# KiCad board jetson-orin-baseboard.kicad_pcb (continued)
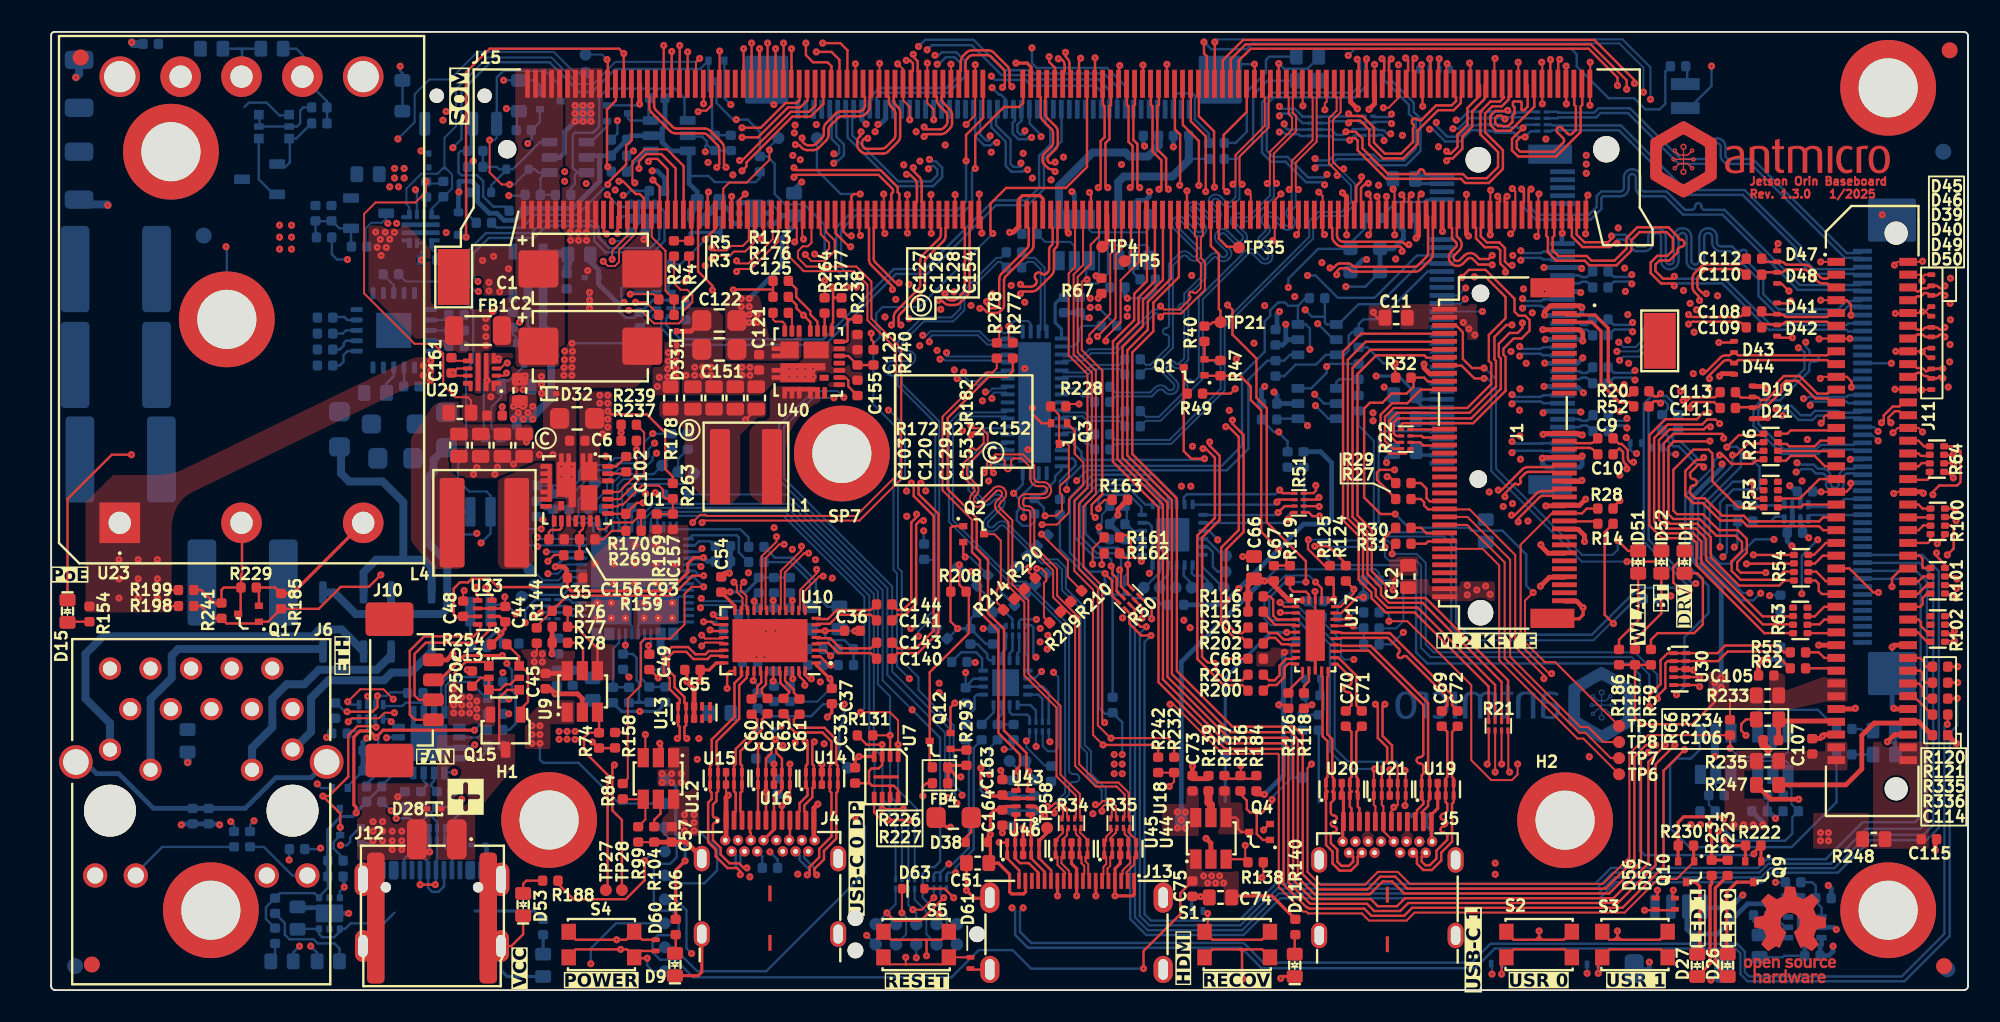
[diagram p0: board, top side]
## Footprints (pads in the part's own frame, mm; a bottom-side part is the same pattern mirrored in y, then rotated) (continued)
  rect 0.4x0.8 smd: 5(-0.975,-1.9) 6(-0.325,-1.9) 7(0.325,-1.9) 8(0.975,-1.9) 13(0.975,1.9) 14(0.325,1.9) 15(-0.325,1.9) 16(-0.975,1.9)
  rect 2.3x2.3 smd: 17(0,0)
R_0402_1005Metric
  rrect 0.59x0.64 smd: 1(-0.48,0) 2(0.48,0)
R_0603_1608Metric
  rrect 0.8x1 smd: 1(-0.7,0) 2(0.7,0)
R_Array_4x0201_Panasonic_EXB18V
  rrect 0.2x0.4 smd: 1(-0.6,-0.298) 2(-0.202,-0.298) 3(0.2,-0.298) 4(0.598,-0.298) 5(0.598,0.3) 6(0.2,0.3) 7(-0.202,0.3) 8(-0.6,0.3)
R_Array_4x0402
  rrect 0.4x0.5 smd: 1(-0.802,-0.45) 2(-0.272,-0.45) 3(0.27,-0.45) 4(0.8,-0.45) 5(0.8,0.452) 6(0.27,0.452) 7(-0.272,0.452) 8(-0.802,0.452)
RJ45_X-2337992-8_Horizontal
  round 3.25 hole 3.25 unplated: (0,-8.9) (11.429,-8.9)
  round 1.397 hole 0.889: 1(0,0) 2(1.269,-2.539) 3(2.539,0) 4(3.809,-2.539) 5(5.078,0) 6(6.349,-2.539) 7(7.618,0) 8(8.89,-2.539) 9(10.159,0) 10(11.429,-2.539) 11(0,-5.078) 12(2.539,-6.339) 13(8.89,-6.339) 14(11.429,-5.07)
  round 1.524 hole 1.016: 15(-0.927,-12.958) 16(1.614,-12.958) 17(9.814,-12.958) 18(12.355,-12.958)
  round 2.1 hole 1.6: 19(-2.136,-5.85)
  round 2.108 hole 1.6: 20(13.563,-5.85)
SC-74-6_1.5x2.9mm_P0.95mm
  rrect 0.8x0.55 smd: 1(-1.2,0.95) 2(-1.2,0) 3(-1.2,-0.95) 4(1.2,-0.95) 5(1.2,0) 6(1.2,0.95)
SOD-523
  rrect 0.5x0.6 smd: 1(-0.701,0) 2(0.699,0)
SOD-923
  rrect 0.4x0.325 smd: 1(-0.438,0) 2(0.436,0)
SOIC-4_4.55x2.6mm_P1.27mm
  rrect 1.85x0.65 smd: 1(-3.125,0.635) 2(-3.125,-0.634) 3(3.124,-0.634) 4(3.124,0.635)
SOT-23-3
  rrect 1x0.6 smd: 1(-1.1,0.951) 2(-1.1,-0.949) 3(1.1,0.001)
SOT-23-5
  rect 1x0.55 smd: 1(-1.351,0.951) 2(-1.351,0) 3(-1.351,-0.949) 4(1.35,-0.949) 5(1.35,0.951)
SOT-23-6
  rrect 0.55x1 smd: 1(-0.954,-1.1) 2(-0.003,-1.1) 3(0.947,-1.1) 4(0.947,1.214) 5(-0.003,1.214) 6(-0.954,1.214)
SOT-363
  custom 0.6x0.6 smd: 1(-0.948,0.752) 3(-0.948,-0.745) 4(0.951,-0.745) 6(0.951,0.752)
  rect 0.6x0.4 smd: 2(-0.948,0.002) 5(0.951,0.002)
SOT-523
  rect 0.4x0.51 smd: 1(-0.5,-0.65) 2(0.498,-0.65) 3(0,0.652)
Spacer_Drill3.7mm_H2.5mm_9774025151R
  custom 2.563x2.563 smd: (-1.7,1.7) (-1.7,-1.7) (1.7,1.7) (1.7,-1.7)
  round 6 hole 3.7: 1(0,0)
Spacer_Drill3.7mm_H6.5mm_9774065151R
  custom 2.563x2.563 smd: (-1.7,1.7) (-1.7,-1.7) (1.7,1.7) (1.7,-1.7)
  round 6 hole 3.7: 1(0,0)
SW_KMR211NGLFS_SMD
  rect 0.9x1 smd: 1(-2.048,0.8) 2(2.05,0.8) 3(-2.048,-0.802) 4(2.05,-0.802)
Tag-Connect_TC2050-IDC-NL_2x5_P1.27mm
  round 0.991 hole 0.991 unplated: (-3.81,0) (3.809,-1.015) (3.809,1.016)
  round 0.787 smd: 1(-2.54,-0.634) 2(-1.27,-0.634) 3(0,-0.634) 4(1.269,-0.634) 5(2.539,-0.634) 6(2.539,0.635) 7(1.269,0.635) 8(0,0.635) 9(-1.27,0.635) 10(-2.54,0.635)
TE_2309413
  round 1.15 hole 1.15 unplated: (-34.406,7.926)
  round 1.65 hole 1.65 unplated: (34.395,7.926)
  rect 0.3x1.75 smd: 1(33.369,12.026) 2(33.119,3.826) 3(32.869,12.026) 4(32.619,3.826) 5(32.369,12.026) 6(32.119,3.826) 7(31.87,12.026) 8(31.62,3.826) 9(31.37,12.026) 10(31.12,3.826) 11(30.87,12.026) 12(30.62,3.826) 13(30.37,12.026) 14(30.12,3.826) 15(29.87,12.026) 16(29.62,3.826) 17(29.37,12.026) 18(29.12,3.826) 19(28.87,12.026) 20(28.62,3.826) 21(28.37,12.026) 22(28.12,3.826) 23(27.87,12.026) 24(27.62,3.826) 25(27.37,12.026) 26(27.12,3.826) 27(26.87,12.026) 28(26.62,3.826) 29(26.37,12.026) 30(26.12,3.826) 31(25.87,12.026) 32(25.62,3.826) 33(25.37,12.026) 34(25.12,3.826) 35(24.87,12.026) 36(24.62,3.826) 37(24.37,12.026) 38(24.12,3.826) 39(23.87,12.026) 40(23.62,3.826) 41(23.37,12.026) 42(23.12,3.826) 43(22.87,12.026) 44(22.62,3.826) 45(22.37,12.026) 46(22.12,3.826) 47(21.87,12.026) 48(21.62,3.826) 49(21.37,12.026) 50(21.12,3.826) 51(20.87,12.026) 52(20.62,3.826) 53(20.37,12.026) 54(20.12,3.826) 55(19.87,12.026) 56(19.62,3.826) 57(19.37,12.026) 58(19.12,3.826) 59(18.87,12.026) 60(18.62,3.826) 61(18.37,12.026) 62(18.12,3.826) 63(17.87,12.026) 64(17.62,3.826) 65(17.37,12.026) 66(17.12,3.826) 67(16.87,12.026) 68(16.62,3.826) 69(16.37,12.026) 70(16.12,3.826) 71(15.87,12.026) 72(15.62,3.826) 73(15.37,12.026) 74(15.12,3.826) 75(14.87,12.026) 76(14.62,3.826) 77(14.37,12.026) 78(14.12,3.826) 79(13.87,12.026) 80(13.62,3.826) 81(13.37,12.026) 82(13.12,3.826) 83(12.87,12.026) 84(12.62,3.826) 85(12.37,12.026) 86(12.12,3.826) 87(11.87,12.026) 88(11.62,3.826) 89(11.37,12.026) 90(11.12,3.826) 91(10.87,12.026) 92(10.62,3.826) 93(10.37,12.026) 94(10.12,3.826) 95(9.87,12.026) 96(9.62,3.826) 97(9.37,12.026) 98(9.12,3.826) 99(8.87,12.026) 100(8.62,3.826) 101(8.37,12.026) 102(8.12,3.826) 103(7.869,12.026) 104(7.619,3.826) 105(7.369,12.026) 106(7.119,3.826) 107(6.869,12.026) 108(6.619,3.826) 109(6.369,12.026) 110(6.119,3.826) 111(5.869,12.026) 112(5.619,3.826) 113(5.369,12.026) 114(5.12,3.826) 115(4.87,12.026) 116(4.62,3.826) 117(4.37,12.026) 118(4.12,3.826) 119(3.87,12.026) 120(3.62,3.826) 121(3.37,12.026) 122(3.12,3.826) 123(2.87,12.026) 124(2.62,3.826) 125(2.37,12.026) 126(2.12,3.826) 127(1.87,12.026) 128(1.62,3.826) 129(1.37,12.026) 130(1.12,3.826) 131(0.869,12.026) 132(0.619,3.826) 133(0.369,12.026) 134(0.119,3.826) 135(-0.131,12.026) 136(-0.38,3.826) 137(-0.63,12.026) 138(-0.88,3.826) 139(-1.131,12.026) 140(-1.381,3.826) 141(-1.631,12.026) 142(-1.881,3.826) 143(-2.13,12.026) 144(-2.38,3.826) 145(-4.63,12.026) 146(-4.88,3.826) 147(-5.13,12.026) 148(-5.38,3.826) 149(-5.63,12.026) 150(-5.88,3.826) 151(-6.13,12.026) 152(-6.38,3.826) 153(-6.63,12.026) 154(-6.88,3.826) 155(-7.13,12.026) 156(-7.38,3.826) 157(-7.63,12.026) 158(-7.88,3.826) 159(-8.131,12.026) 160(-8.381,3.826) 161(-8.631,12.026) 162(-8.881,3.826) 163(-9.131,12.026) 164(-9.381,3.826) 165(-9.631,12.026) 166(-9.881,3.826) 167(-10.131,12.026) 168(-10.381,3.826) 169(-10.631,12.026) 170(-10.881,3.826) 171(-11.131,12.026) 172(-11.381,3.826) 173(-11.631,12.026) 174(-11.881,3.826) 175(-12.131,12.026) 176(-12.381,3.826) 177(-12.631,12.026) 178(-12.881,3.826) 179(-13.131,12.026) 180(-13.381,3.826) 181(-13.631,12.026) 182(-13.881,3.826) 183(-14.131,12.026) 184(-14.381,3.826) 185(-14.631,12.026) 186(-14.881,3.826) 187(-15.131,12.026) 188(-15.381,3.826) 189(-15.631,12.026) 190(-15.881,3.826) 191(-16.13,12.026) 192(-16.38,3.826) 193(-16.63,12.026) 194(-16.88,3.826) 195(-17.13,12.026) 196(-17.38,3.826) 197(-17.63,12.026) 198(-17.88,3.826) 199(-18.13,12.026) 200(-18.38,3.826) 201(-18.63,12.026) 202(-18.88,3.826) 203(-19.13,12.026) 204(-19.38,3.826) 205(-19.63,12.026) 206(-19.88,3.826) 207(-20.13,12.026) 208(-20.38,3.826) 209(-20.63,12.026) 210(-20.88,3.826) 211(-21.13,12.026) 212(-21.38,3.826) 213(-21.63,12.026) 214(-21.88,3.826) 215(-22.13,12.026) 216(-22.38,3.826) 217(-22.63,12.026) 218(-22.88,3.826) 219(-23.13,12.026) 220(-23.38,3.826) 221(-23.63,12.026) 222(-23.88,3.826) 223(-24.13,12.026) 224(-24.38,3.826) 225(-24.63,12.026) 226(-24.88,3.826) 227(-25.13,12.026) 228(-25.38,3.826) 229(-25.63,12.026) 230(-25.88,3.826) 231(-26.13,12.026) 232(-26.38,3.826) 233(-26.63,12.026) 234(-26.88,3.826) 235(-27.13,12.026) 236(-27.38,3.826) 237(-27.63,12.026) 238(-27.88,3.826) 239(-28.13,12.026) 240(-28.38,3.826) 241(-28.63,12.026) 242(-28.88,3.826) 243(-29.13,12.026) 244(-29.38,3.826) 245(-29.63,12.026) 246(-29.88,3.826) 247(-30.13,12.026) 248(-30.38,3.826) 249(-30.63,12.026) 250(-30.88,3.826) 251(-31.13,12.026) 252(-31.38,3.826) 253(-31.63,12.026) 254(-31.88,3.826) 255(-32.131,12.026) 256(-32.381,3.826) 257(-32.631,12.026) 258(-32.881,3.826) 259(-33.131,12.026) 260(-33.381,3.826)
  rect 2x3.5 smd: 261(-37.756,-0.073) 262(37.744,-4.073)
TP_SMD_0.75mm
  round 0.75 smd: 1(0,0)
TSOT23-6
  rect 1.2x0.7 smd: 1(-1.301,0.947) 2(-1.301,-0.004) 3(-1.301,-0.954) 4(1.299,-0.954) 5(1.299,-0.004) 6(1.299,0.947)
USB-C_Receptacle_GCT_USB4105-GF-A
  round 0.65 hole 0.65 unplated: (-2.891,2.426) (2.89,2.426)
  rrect 0.6x1.15 smd: A1(-3.202,3.5) A4(-2.4,3.5) A9(2.398,3.5) A12(3.2,3.5) B1(3.2,3.5) B4(2.398,3.5) B9(-2.4,3.5) B12(-3.202,3.5)
  rrect 0.3x1.15 smd: A5(-1.25,3.5) A6(-0.25,3.5) A7(0.248,3.5) A8(1.249,3.5) B5(1.749,3.5) B6(0.748,3.5) B7(-0.75,3.5) B8(-1.75,3.5)
  oval 1x2 hole 0.6x1.4: SH(-4.321,-1.255) SH(4.32,-1.255)
  oval 1.05x2.1 hole 0.6x1.7: SH(-4.321,2.926) SH(4.32,2.926)
USB-C_Receptacle_WE_632723300011
  rrect 0.2x1 smd: (0,1.055) (0,-2.045)
  rrect 0.3x1.2 smd: A1(-2.75,5.635) A2(-2.25,5.635) A3(-1.75,5.635) A4(-1.25,5.635) A5(-0.75,5.635) A6(-0.25,5.635) A7(0.25,5.635) A8(0.75,5.635) A9(1.25,5.635) A10(1.75,5.635) A11(2.25,5.635) A12(2.75,5.635)
  round 0.65 hole 0.3: B1(2.8,4.385) B2(2.4,3.685) B3(1.6,3.685) B4(1.2,4.385) B5(0.8,3.685) B6(0.4,4.385) B7(-0.4,4.385) B8(-0.8,3.685) B9(-1.2,4.385) B10(-1.6,3.685) B11(-2.4,3.685) B12(-2.8,4.385) SH(-2,4.385) SH(2,4.385)
  oval 1x1.6 hole 0.6x1.2: SH(-4.27,3.235) SH(-4.27,-1.495) SH(4.27,3.235) SH(4.27,-1.495)
USON-8_2x3mm_P0.5mm
  rrect 0.7x0.3 smd: 1(-1.273,0.75) 2(-1.273,0.25) 3(-1.273,-0.248) 4(-1.273,-0.748) 5(1.276,-0.748) 6(1.276,-0.248) 7(1.276,0.25) 8(1.276,0.75)
  rrect 0.2x1.6 smd: EP(0,0)
USON-10_2.5x1mm_P0.5mm
  rrect 0.55x0.25 smd: 1(-0.387,1) 2(-0.387,0.5) 4(-0.387,-0.498) 5(-0.387,-0.998) 6(0.385,-0.998) 7(0.385,-0.498) 9(0.385,0.5) 10(0.385,1)
  rrect 0.55x0.4 smd: 3(-0.387,0) 8(0.385,0)
VQFN-16-1EP_3x3mm_P0.5mm_EP1.68x1.68mm
  rrect 0.6x0.25 smd: 1(-1.4,0.75) 2(-1.4,0.25) 3(-1.4,-0.25) 4(-1.4,-0.75) 9(1.4,-0.75) 10(1.4,-0.25) 11(1.4,0.25) 12(1.4,0.75)
  rrect 0.25x0.6 smd: 5(-0.75,-1.4) 6(-0.25,-1.4) 7(0.25,-1.4) 8(0.75,-1.4) 13(0.75,1.4) 14(0.25,1.4) 15(-0.25,1.4) 16(-0.75,1.4)
  rrect 1.68x1.68 smd: 17(0,0)
VQFN-20_5x5x1mm_P0.65mm
  rrect 0.75x0.31 smd: 1(-2.327,1.301) 2(-2.327,0.652) 3(-2.327,0) 4(-2.327,-0.65) 5(-2.327,-1.3) 11(2.325,-1.3) 12(2.325,-0.65) 13(2.325,0) 14(2.325,0.652) 15(2.325,1.301)
  rrect 0.31x0.75 smd: 6(-1.301,-2.325) 7(-0.652,-2.325) 8(0,-2.325) 9(0.65,-2.325) 10(1.3,-2.325) 16(1.3,2.327) 17(0.65,2.327) 18(0,2.327) 19(-0.652,2.327) 20(-1.301,2.327)
  rect 2.2x2.2 smd: 21(0,0)
VQFN-24-1EP_3.8x3.8x1.0mm_P0.5mm
  rrect 0.6x0.25 smd: 1(-1.901,1.25) 2(-1.901,0.75) 3(-1.901,0.25) 4(-1.901,-0.248) 5(-1.901,-0.748) 6(-1.901,-1.249) 13(1.898,-1.249) 14(1.898,-0.748) 15(1.898,-0.248) 16(1.898,0.25) 17(1.898,0.75) 18(1.898,1.252)
  rrect 0.25x0.6 smd: 7(-1.252,-1.898) 8(-0.751,-1.898) 9(-0.25,-1.898) 10(0.248,-1.898) 11(0.748,-1.898) 12(1.249,-1.898) 19(1.249,1.901) 20(0.748,1.901) 21(0.248,1.901) 22(-0.25,1.901) 23(-0.75,1.901) 24(-1.252,1.901)
  rrect 2.1x2.1 smd: 25(0,0.001)
VQFN-HR-10_2x2mm
  rrect 0.6x0.275 smd: (-0.9,0.688) (-0.9,-0.688) (0.9,0.688) (0.9,-0.688)
  rrect 0.225x0.65 smd: (-0.713,0.875) (-0.713,-0.875) (0.713,0.875) (0.713,-0.875)
  rrect 0.28x1.06 smd: (-0.25,0.63) (-0.25,-0.63) (0.25,0.63) (0.25,-0.63)
  rrect 0.6x0.3 smd: 1(-0.9,0.7) 4(-0.9,-0.7) 7(0.9,-0.7) 10(0.9,0.7)
  rrect 0.25x0.65 smd: 1(-0.725,0.875) 4(-0.725,-0.875) 7(0.725,-0.875) 10(0.725,0.875)
  rrect 0.6x0.25 smd: 2(-0.9,0.225) 3(-0.9,-0.225) 8(0.9,-0.225) 9(0.9,0.225)
  rrect 0.3x2.4 smd: 5(-0.25,0) 6(0.25,0)
WQFN-30-1EP_4.6x2.6mm_P0.4mm
  rect 0.45x0.2 smd: 1(-1.232,1.809) 10(-1.232,-1.79) 16(1.222,-1.79) 25(1.222,1.809)
  rect 0.5x0.2 smd: 2(-1.203,1.41) 3(-1.203,1.01) 4(-1.203,0.609) 5(-1.203,0.21) 6(-1.203,-0.191) 7(-1.203,-0.59) 8(-1.203,-0.99) 9(-1.203,-1.391) 17(1.196,-1.391) 18(1.196,-0.99) 19(1.196,-0.59) 20(1.196,-0.191) 21(1.196,0.21) 22(1.196,0.609) 23(1.196,1.01) 24(1.196,1.41)
  rect 0.2x0.45 smd: 11(-0.804,-2.191) 15(0.797,-2.191) 26(0.797,2.21) 30(-0.804,2.21)
  rect 0.2x0.5 smd: 12(-0.403,-2.191) 13(-0.003,-2.191) 14(0.396,-2.191) 27(0.396,2.21) 28(-0.003,2.21) 29(-0.403,2.21)
  rect 1.2x3.2 smd: 31(-0.003,0.01)
WQFN-40_1EP_6x3mm_Pitch0.4mm_EP4.7x2.7mm
  rrect 0.6x0.2 smd: 1(-2.9,1.401) 2(-2.9,1) 3(-2.9,0.6) 4(-2.9,0.202) 5(-2.9,-0.2) 6(-2.9,-0.598) 7(-2.9,-0.998) 8(-2.9,-1.398) 21(2.898,-1.398) 22(2.898,-0.998) 23(2.898,-0.598) 24(2.898,-0.2) 25(2.898,0.202) 26(2.898,0.6) 27(2.898,1) 28(2.898,1.401)
  rrect 0.2x0.6 smd: 9(-2.202,-1.898) 10(-1.801,-1.898) 11(-1.401,-1.898) 12(-1,-1.898) 13(-0.6,-1.898) 14(-0.202,-1.898) 15(0.2,-1.898) 16(0.598,-1.898) 17(0.998,-1.898) 18(1.398,-1.898) 19(1.8,-1.898) 20(2.2,-1.898) 29(2.2,1.901) 30(1.8,1.901) 31(1.398,1.901) 32(0.998,1.901) 33(0.598,1.901) 34(0.2,1.901) 35(-0.202,1.901) 36(-0.6,1.901) 37(-1,1.901) 38(-1.401,1.901) 39(-1.801,1.901) 40(-2.202,1.901)
  rrect 1x0.8 smd: 41(-1.5,0.652) 41(-1.5,-0.748) 41(0.05,0.652) 41(0.05,-0.748) 41(1.499,0.652) 41(1.499,-0.748)
  rrect 4.7x2.7 smd: 41(0,0)
WQFN-42-1EP_3.5x9mm_P0.5mm
  rrect 0.83x0.87 smd: (-0.51,-3.24) (-0.51,-2.16) (-0.51,-1.08) (-0.51,0) (-0.51,1.081) (-0.51,2.161) (-0.51,3.242) (0.508,-3.24) (0.508,-2.16) (0.508,-1.08) (0.508,0) (0.508,1.081) (0.508,2.161) (0.508,3.242)
  rrect 0.875x0.25 smd: 1(-1.688,4) 2(-1.688,3.5) 3(-1.688,3) 4(-1.688,2.5) 5(-1.688,2) 6(-1.688,1.5) 7(-1.688,1) 8(-1.688,0.5) 9(-1.688,0) 10(-1.688,-0.5) 11(-1.688,-1) 12(-1.688,-1.5) 13(-1.688,-2) 14(-1.688,-2.5) 15(-1.688,-3) 16(-1.688,-3.5) 17(-1.688,-4) 22(1.687,-4) 23(1.687,-3.5) 24(1.687,-3) 25(1.687,-2.5) 26(1.687,-2) 27(1.687,-1.5) 28(1.687,-1) 29(1.687,-0.5) 30(1.687,0) 31(1.687,0.5) 32(1.687,1) 33(1.687,1.5) 34(1.687,2) 35(1.687,2.5) 36(1.687,3) 37(1.687,3.5) 38(1.687,4)
  rrect 0.25x0.875 smd: 18(-0.75,-4.437) 19(-0.25,-4.437) 20(0.25,-4.437) 21(0.75,-4.437) 39(0.75,4.438) 40(0.25,4.438) 41(-0.25,4.438) 42(-0.75,4.438)
  rect 2.05x7.55 smd: 43(0,0)
WSON-6-1EP_2x2mm_P0.65mm
  rrect 0.45x0.4 smd: 1(-0.975,0.652) 2(-0.975,0) 3(-0.975,-0.65) 4(0.973,-0.65) 5(0.973,0) 6(0.973,0.652)
  rrect 1.12x1.72 smd: 7(0,0)
XDFN-2_1x0.60mm
  rrect 0.3x0.5 smd: 1(-0.351,0) 2(0.349,0)
XSON-8_1x1.95mm_P0.5mm
  rrect 0.6x0.3 smd: 1(-0.45,0.75) 4(-0.45,-0.75) 5(0.45,-0.75) 8(0.45,0.75)
  rrect 0.6x0.25 smd: 2(-0.45,0.25) 3(-0.45,-0.25) 6(0.45,-0.25) 7(0.45,0.25)

## Nets
3V3_STDB: C118.2 C119.2 D30.1 D34.2 R183.2 R247.2 R256.2 R259.2 R273.2 S5.1 S5.2 TP52.1 U37.5 U38.3 U38.5
+1V8: C40.2 C44.2 C89.2 C96.2 C97.2 D31.1 Q1.1 R47.2 R80.2 R163.1 R167.2 R171.2 R179.2 R219.2 R232.2 R234.1 R242.2 R276.2 TP55.1 U4.3 U4.6 U26.21 U31.3 U31.6 U32.3 U32.6 U33.3 U33.6
+3V3: C7.1 C11.1 C12.1 C25.1 C26.1 C36.1 C37.1 C41.2 C43.1 C47.2 C49.2 C54.1 C55.1 C56.2 C68.1 C91.1 C100.2 C101.2 C104.2 C130.1 C163.2 D33.1 J1.2 J1.4 J1.72 J1.74 J6.15 J6.17 Q2.1 R27.1 R28.1 R32.2 R37.1 R38.1 R39.2 R49.2 R66.1 R67.1 R81.1 R83.2 R85.2 R87.2 R89.2 R91.2 R93.2 R95.2 R97.2 R126.2 R130.1 R138.2 R143.2 R160.2 R166.2 R174.2 R178.2 R184.2 R186.2 R187.2 R189.2 R193.2 R194.2 R207.2 R208.2 R211.2 R217.1 R223.2 R228.2 R231.2 R233.1 R246.1 R262.1 R265.1 R266.1 R279.2 R280.2 TP54.1 U3.5 U4.7 U6.5 U10.1 U10.6 U10.20 U10.28 U17.8 U25.6 U28.6 U31.7 U32.7 U34.14 U34.15 U35.6 U36.1 U43.3 U43.6 Y1.1 Y1.4
+5V: C35.2 C42.1 C45.1 C48.2 C57.1 C59.1 C66.1 C67.1 C73.1 C83.1 C90.1 FB4.1 J10.2 Q6.3 R74.2 R113.2 R115.1 R116.2 R135.2 R144.2 R158.2 R182.2 R235.2 TP53.1 U6.25 U6.46 U9.6 U12.6 U17.30 U18.6 U24.6 U27.6 U33.7 U42.1
+5V_SoM: D32.1 Q6.2 R172.2 R181.2 R182.1 R272.1 R274.1 R275.2 U29.1 U29.4 U29.5
/Ethernet/VDD: C76.2 C79.2 C80.2 C81.2 C82.2 D14.1 FB2.2 R146.2 R149.2 R150.2 R153.2 R154.2 R198.2 R199.2 U22.1 U23.1
/Ethernet/VSS: C76.1 D14.2 FB3.2 R123.1 R129.2 R142.1 R145.1 R196.1 U22.4 U22.5 U22.21
/HDMI/5V_HDMI: C51.1 C164.2 D38.1 J13.18 R281.2 R282.2 U43.7
/M.2/3V3_M2: C8.1 C21.1 C22.1 C23.1 C24.1 J2.2 J2.4 J2.12 J2.14 J2.16 J2.18 J2.70 J2.72 J2.74 R143.1 U2.5
/Peripherals/1V8_CONN: C106.2 J11.73 R234.2
/Peripherals/3V3_CONN: C105.2 J11.67 J11.69 R233.2
/Peripherals/3V3_STDB_CONN: C114.1 J11.74 R247.1
/Peripherals/5V_CONN: C107.2 J11.77 J11.79 R235.1
/Peripherals/VCC_CONN: C115.1 J11.78 J11.80 R248.2
/Supply/1V8_LDO: C142.2 R276.1 U42.5
/Supply/3V3_BOOT: C125.2 U40.23
/Supply/3V3_EN: R264.2 U40.19
/Supply/3V3_FB: R177.1 R238.2 U40.17
/Supply/3V3_LDO: C137.2 R273.1 U41.1
/Supply/3V3_MODE1: R176.2 R240.1 U40.21
/Supply/3V3_MODE2: R173.2 U40.20
/Supply/3V3_OUT: C126.2 C127.2 C128.2 C154.2 L1.2 R177.2 R178.1 U40.18
/Supply/3V3_PHASE: C125.1 U40.24
/Supply/3V3_SW: L1.1 U40.5 U40.6 U40.7 U40.8 U40.9
/Supply/3V3_VDD: C123.2 R240.2 U40.15
/Supply/3V3_VDRV: C155.2 U40.12
/Supply/5V_BOOT: C102.2 U1.23
/Supply/5V_EN: C157.1 R169.2 R263.1 U1.19
/Supply/5V_FB: R170.1 R269.2 U1.17
/Supply/5V_GATE: Q5.3 Q6.1 R181.1
/Supply/5V_MODE1: R159.1 R237.2 U1.21
/Supply/5V_MODE2: R239.2 U1.20
/Supply/5V_OUT: C103.2 C120.2 C129.2 C153.2 L4.2 R170.2 R172.1 U1.18
/Supply/5V_PHASE: C102.1 U1.24
/Supply/5V_SW: L4.1 U1.5 U1.6 U1.7 U1.8 U1.9
/Supply/5V_VDD: C93.2 R159.2 U1.15
/Supply/5V_VDRV: C156.2 U1.12
/Supply/VCC_IN: C150.2 Q13.1 Q14.1 Q15.2 Q16.2 Q18.2 R164.2 R175.1 R252.2 R253.2
GND: BT1.2 C1.2 C2.2 C5.1 C6.2 C7.2 C8.2 C11.2 C12.2 C21.2 C22.2 C23.2 C24.2 C25.2 C26.2 C27.2 C28.1 C29.2 C30.1 C31.2 C32.2 C33.1 C34.1 C35.1 C36.2 C37.2 C40.1 C41.1 C42.2 C43.2 C44.1 C45.2 C47.1 C48.1 C49.1 C51.2 C52.2 C53.2 C54.2 C55.2 C56.1 C57.2 C58.2 C59.2 C64.2 C65.2 C66.2 C67.2 C68.2 C73.2 C74.2 C75.2 C77.1 C78.2 C83.2 C84.1 C85.1 C89.1 C90.2 C91.2 C93.1 C94.1 C95.1 C96.1 C97.1 C98.1 C99.1 C100.1 C101.1 C103.1 C104.1 C105.1 C106.1 C107.1 C114.2 C115.2 C116.1 C117.1 C118.1 C119.1 C120.1 C121.2 C122.1 C123.1 C124.1 C126.1 C127.1 C128.1 C129.1 C130.2 C134.1 C136.2 C137.1 C142.1 C145.1 C146.2 C147.2 C148.2 C149.1 C151.1 C152.1 C153.1 C154.1 C155.1 C156.1 C157.2 C158.2 C159.2 C160.1 C161.1 C163.1 C164.1 D4.1 D5.1 D6.2 D7.2 D8.1 D9.1 D10.2 D11.1 D16.2 D17.2 D18.1 D19.2 D20.1 D21.2 D22.2 D23.2 D24.1 D25.1 D28.2 D29.2 D30.2 D31.2 D32.2 D33.2 D39.2 D40.2 D41.2 D42.2 D43.2 D44.2 D45.2 D46.2 D47.2 D48.2 D49.2 D50.2 D53.1 D54.1 D55.1 D56.1 D57.1 D58.1 D59.1 D60.1 D61.1 H1.1 H2.1 H3.1 H4.1 H5.1 H6.1 J1.1 J1.7 J1.18 J1.33 J1.39 J1.45 J1.51 J1.57 J1.63 J1.69 J1.75 J1.MP J2.1 J2.3 J2.9 J2.15 J2.21 J2.27 J2.33 J2.39 J2.45 J2.51 J2.57 J2.71 J2.73 J2.75 J2.MP1 J2.MP2 J3.A1 J3.A12 J3.B1 J3.B12 J3.SH J4.A1 J4.A12 J4.B1 J4.B12 J4.SH J5.A1 J5.A12 J5.B1 J5.B12 J5.SH J7.9 J7.12 J7.15 J7.18 J7.27 J7.30 J7.MP1 J7.MP2 J8.9 J8.12 J8.15 J8.18 J8.27 J8.30 J8.MP1 J8.MP2 J9.3 J9.5 J9.9 J10.1 J11.1 J11.2 J11.4 J11.7 J11.10 J11.13 J11.16 J11.19 J11.22 J11.25 J11.28 J11.37 J11.38 J11.49 J11.50 J11.61 J11.62 J11.71 J11.72 J11.75 J11.76 J12.2 J12.MP J13.1 J13.4 J13.7 J13.10 J13.13 J13.SH J14.1 J14.MP J15.1 J15.2 J15.7 J15.8 J15.13 J15.14 J15.19 J15.20 J15.25 J15.26 J15.31 J15.32 J15.37 J15.38 J15.43 J15.44 J15.49 J15.50 J15.55 J15.56 J15.61 J15.62 J15.67 J15.68 J15.73 J15.74 J15.79 J15.80 J15.85 J15.86 J15.102 J15.107 J15.113 J15.119 J15.125 J15.129 J15.132 J15.135 J15.138 J15.141 J15.144 J15.146 J15.147 J15.152 J15.153 J15.158 J15.159 J15.164 J15.165 J15.170 J15.171 J15.176 J15.177 J15.200 J15.201 J15.231 J15.241 J15.242 J15.243 J15.244 J15.245 J15.246 J15.247 J15.248 J15.249 J15.250 Q2.2 Q3.2 Q4.2 Q5.2 Q7.2 Q8.2 Q9.2 Q10.2 Q11.2 Q12.2 Q19.2 Q20.2 Q21.2 R6.1 R7.1 R8.1 R9.1 R10.1 R41.1 R43.1 R45.1 R61.1 R77.1 R78.1 R86.2 R88.2 R90.2 R92.2 R94.2 R96.2 R98.2 R99.1 R104.1 R109.2 R110.2 R114.1 R118.1 R119.1 R139.1 R147.1 R156.2 R157.1 R165.1 R168.1 R169.1 R173.1 R176.1 R180.1 R190.1 R192.1 R205.2 R218.1 R222.1 R227.1 R230.1 R237.1 R238.1 R239.1 R249.1 R250.1 R251.1 R254.1 R255.1 R261.1 R269.1 R271.1 S1.3 S1.4 S2.3 S2.4 S3.3 S3.4 S4.3 S4.4 SP7.1 SP8.1 SW1.S1 SW1.S2 SW1.S3 SW1.S4 TP23.1 U1.3 U1.4 U1.13 U1.16 U1.25 U1.27 U2.2 U3.2 U4.2 U5.3 U5.13 U5.17 U6.20 U6.51 U6.59 U7.4 U8.3 U8.5 U8.7 U9.2 U10.41 U11.3 U11.8 U12.2 U13.3 U13.8 U14.3 U14.8 U15.3 U15.8 U16.3 U16.8 U17.13 U17.28 U17.31 U18.2 U19.3 U19.8 U20.3 U20.8 U21.3 U21.8 U23.4 U23.5 U24.2 U25.2 U26.9 U26.18 U26.23 U27.2 U28.2 U29.2 U29.8 U29.9 U30.3 U30.8 U31.2 U32.2 U33.2 U34.6 U35.5 U35.7 U36.43 U37.2 U38.2 U40.3 U40.4 U40.13 U40.16 U40.25 U40.27 U41.3 U41.5 U41.7 U42.2 U43.2 U44.3 U44.8 U45.3 U45.8 U46.3 U46.8 U47.2 U48.2 U48.8 U48.9 Y1.2
GNDD: C79.1 C80.1 C81.1 C82.1 D15.1 Q17.2 R155.1 R185.1 R229.1 U22.11 U22.12 U23.3
VCC: C5.2 C6.1 C50.2 C121.1 C122.2 C134.2 C151.2 C152.2 D29.1 Q18.3 R175.2 R188.2 R248.1 R263.2 TP14.1 U1.1 U1.2 U1.22 U1.26 U40.1 U40.2 U40.22 U40.26 U41.4 U41.6 U48.5
VDD_SoM: FB1.1 U29.6 U48.6
/CSI/CSI1_0_D0_N: J7.3 R103.7
/CSI/CSI1_0_D0_P: J7.4 R103.8
/CSI/CSI1_0_D1_N: J7.1 R103.5
/CSI/CSI1_0_D1_P: J7.2 R103.6
/CSI/CSI1_1_D0_N: J8.7 R107.6
/CSI/CSI1_1_D0_P: J8.8 R107.5
/CSI/CSI1_1_D1_N: J8.5 R107.8
/CSI/CSI1_1_D1_P: J8.6 R107.7
/CSI/CSI3_0_D0_N: J7.21 R108.8
/CSI/CSI3_0_D0_P: J7.22 R108.7
/CSI/CSI3_0_D1_N: J7.19 R108.6
/CSI/CSI3_0_D1_P: J7.20 R108.5
/CSI/CSI3_1_D0_N: J8.25 R122.5
/CSI/CSI3_1_D0_P: J8.26 R122.6
/CSI/CSI3_1_D1_N: J8.23 R122.7
/CSI/CSI3_1_D1_P: J8.24 R122.8
/CSI/CSIA_3V3: C94.2 J7.47 J7.48 R132.2 U25.1
/CSI/CSIA_3V3_ISET: R8.2 U25.5
/CSI/CSIA_5V: C95.2 J7.49 J7.50 R197.2 U24.1
/CSI/CSIA_5V_ISET: R7.2 U24.5
/CSI/CSIA_I2C_VCC: R36.5 R36.6 R36.7 R36.8 R166.1 R171.1
/CSI/CSIB_3V3: C98.2 J8.47 J8.48 R133.2 U28.1
/CSI/CSIB_3V3_ISET: R10.2 U28.5
/CSI/CSIB_5V: C99.2 J8.49 J8.50 R206.2 U27.1
/CSI/CSIB_5V_ISET: R9.2 U27.5
/CSI/CSIB_I2C_VCC: R48.5 R48.6 R48.7 R48.8 R174.1 R179.1
/CSI/I2C_MUX_A0: R167.1 R168.2 U26.22
/CSI/I2C_MUX_RESET: R163.2 U26.24
/CSI/I2C_MUX_SCL: R162.1 U26.19
/CSI/I2C_MUX_SDA: R161.1 U26.20
/CSI/MUX_I2C_4_SCL: TP37.1 U26.11
/CSI/MUX_I2C_4_SDA: TP36.1 U26.10
/CSI/MUX_I2C_5_SCL: TP39.1 U26.13
/CSI/MUX_I2C_5_SDA: TP38.1 U26.12
/CSI/MUX_I2C_6_SCL: TP41.1 U26.15
/CSI/MUX_I2C_6_SDA: TP40.1 U26.14
/CSI/MUX_I2C_7_SCL: TP43.1 U26.17
/CSI/MUX_I2C_7_SDA: TP42.1 U26.16
/CSI/SCL_CAM0: R36.3 R50.2 U26.2
/CSI/SCL_CAM1: R36.1 R50.4 U26.4
/CSI/SCL_CAM2: R48.3 R51.2 U26.6
/CSI/SCL_CAM3: R48.1 R51.4 U26.8
/CSI/SDA_CAM0: R36.4 R50.1 U26.1
/CSI/SDA_CAM1: R36.2 R50.3 U26.3
/CSI/SDA_CAM2: R48.4 R51.1 U26.5
/CSI/SDA_CAM3: R48.2 R51.3 U26.7
/CSI/VSYNC_CAM0_3V3: J7.32 U31.8
/CSI/VSYNC_CAM1_3V3: J7.34 U31.1
/CSI/VSYNC_CAM2_3V3: J8.32 U32.8
/CSI/VSYNC_CAM3_3V3: J8.34 U32.1
/Ethernet/AMPS_CTL: R123.2 U22.8
/Ethernet/CLSA: R196.2 U22.3
/Ethernet/CLSB: R145.2 U22.6
/Ethernet/DEN: R146.1 U22.2
/Ethernet/MPS_DUTY: R129.1 U22.9
/Ethernet/PAIR_12: D12.3 J6.11
/Ethernet/PAIR_36: D12.4 J6.12
/Ethernet/PAIR_78: D13.4 J6.13
/Ethernet/PAIR_910: D13.3 J6.14
/Ethernet/PG: R148.2 U22.13
/Ethernet/POE_ACTIVE: Q17.1 R148.1 R185.2 R198.1 R241.2 U39.4
/Ethernet/REF: R142.2 U22.7
/Ethernet/TPH: R149.1 U22.18
/Ethernet/TPL: R150.1 U22.17
/Ethernet/ULS-12_CTRL: Q17.3 R199.1 R229.2 R241.1 U23.2
/Ethernet/~{BT}: R153.1 U22.19
/HDMI/DP_MUX_AUX_A+: R277.1 U36.40
/HDMI/DP_MUX_AUX_A-: R278.1 U36.39
/HDMI/DP_MUX_AUX_B+: C139.2 U36.42
/HDMI/DP_MUX_AUX_B-: C138.2 U36.41
/HDMI/DP_MUX_D0+: C131.1 U36.5
/HDMI/DP_MUX_D0-: C86.1 U36.6
/HDMI/DP_MUX_D1+: C132.1 U36.7
/HDMI/DP_MUX_D1-: C87.1 U36.8
/HDMI/DP_MUX_D2+: C133.1 U36.10
/HDMI/DP_MUX_D2-: C88.1 U36.11
/HDMI/DP_MUX_D3+: C135.1 U36.12
/HDMI/DP_MUX_D3-: C92.1 U36.13
/HDMI/DP_MUX_EN: R160.1 U36.2
/HDMI/HDMI_CEC_5V: J13.14 TP58.1 U46.5 U46.6
/HDMI/HDMI_CLK_CONN_N: J13.12 R34.1 U45.1 U45.10
/HDMI/HDMI_CLK_CONN_P: J13.11 R34.2 U45.2 U45.9
/HDMI/HDMI_CLK_N: R34.8 R221.2 U36.28
/HDMI/HDMI_CLK_P: R34.7 R224.2 U36.29
/HDMI/HDMI_D0_CONN_N: J13.9 R34.3 U45.4 U45.7
/HDMI/HDMI_D0_CONN_P: J13.8 R34.4 U45.5 U45.6
/HDMI/HDMI_D0_N: R34.6 R214.2 U36.26
/HDMI/HDMI_D0_P: R34.5 R220.2 U36.27
/HDMI/HDMI_D1_CONN_N: J13.6 R35.1 U44.1 U44.10
/HDMI/HDMI_D1_CONN_P: J13.5 R35.2 U44.2 U44.9
/HDMI/HDMI_D1_N: R35.8 R212.2 U36.24
/HDMI/HDMI_D1_P: R35.7 R213.2 U36.25
/HDMI/HDMI_D2_CONN_N: J13.3 R35.3 U44.4 U44.7
/HDMI/HDMI_D2_CONN_P: J13.2 R35.4 U44.5 U44.6
/HDMI/HDMI_D2_N: R35.6 R209.2 U36.22
/HDMI/HDMI_D2_P: R35.5 R210.2 U36.23
/HDMI/HDMI_HPD: Q12.3 R208.1 R225.1 R226.1 TP22.1 U36.21
/HDMI/HDMI_HPD_5V: J13.19 R226.2 R227.2 R293.2 U46.1 U46.10
/HDMI/HDMI_HPD_5V_R: Q12.1 R293.1
/HDMI/HDMI_SCL_3V3: R277.2 R280.1 TP57.1 U43.4
/HDMI/HDMI_SCL_5V: J13.15 R282.1 U43.1 U46.4 U46.7
/HDMI/HDMI_SDA_3V3: R278.2 R279.1 TP56.1 U43.5
/HDMI/HDMI_SDA_5V: J13.16 R281.1 U43.8 U46.2 U46.9
/M.2/32.7KHZ_OUT: R19.1 R29.2 Y1.3
/M.2/C_PCIE0_TX0_N: C17.1 J2.47
/M.2/C_PCIE0_TX0_P: C13.1 J2.49
/M.2/C_PCIE0_TX1_N: C18.1 J2.35
/M.2/C_PCIE0_TX1_P: C14.1 J2.37
/M.2/C_PCIE0_TX2_N: C19.1 J2.23
/M.2/C_PCIE0_TX2_P: C15.1 J2.25
/M.2/C_PCIE0_TX3_N: C20.1 J2.11
/M.2/C_PCIE0_TX3_P: C16.1 J2.13
/M.2/C_PCIE1_TX0_N: C10.2 J1.37
/M.2/C_PCIE1_TX0_P: C9.2 J1.35
/M.2/M2_E_I2C_CLK: J1.60 R31.1
/M.2/M2_E_I2C_DAT: J1.58 R30.1
/M.2/M2_E_PCM_CLK: J1.8 R21.8
/M.2/M2_E_PCM_IN: J1.12 R21.6
/M.2/M2_E_PCM_OUT: J1.14 R21.5
/M.2/M2_E_PCM_SYNC: J1.10 R21.7
/M.2/M2_E_SUSCLK: J1.50 R29.1
/M.2/M2_E_UART_CTS: J1.34 R22.7
/M.2/M2_E_UART_RTS: J1.36 R22.6
/M.2/M2_E_UART_RX: J1.22 R22.5
/M.2/M2_E_UART_TX: J1.32 R22.8
/M.2/M2_E_W_DIS_1: J1.56 TP7.1
/M.2/M2_E_W_DIS_2: J1.54 TP8.1
/M.2/M2_M_SMB_CLK: J2.40 TP12.1
/M.2/M2_M_SMB_DATA: J2.42 TP11.1
/M.2/M2_M_SUSCLK: J2.68 R19.2
/M.2/PCIE_WAKE_SEL0: R13.2 R16.1 U2.1
/M.2/PCIE_WAKE_SEL1: J1.55 R14.2
/M.2/USB_E_N: J1.5 R52.2
/M.2/USB_E_P: J1.3 R20.2
/M.2/~{LED1}: D51.1 J1.6
/M.2/~{LED2}: D52.1 J1.16
/M.2/~{M2_E_ALERT}: J1.62 TP6.1
/M.2/~{M2_E_UART_WAKE}: J1.20 R32.1 TP9.1
/M.2/~{M2_M_ALERT}: J2.44 TP10.1
/M.2/~{M2_M_CLKREQ0}: J2.52 R17.2 R38.2 U2.4 U3.1
/M.2/~{M2_M_PERST}: J2.50 R18.2 R37.2 U3.3
/M.2/~{M2_M_PEWAKE0}: J2.54 R16.2 U2.6
/Peripherals/FAN_PWM_5V: J10.4 U33.8
/Peripherals/FAN_TACH_5V: J10.3 U33.1
/Peripherals/GPIO01_CONN: J11.31 R26.2
/Peripherals/GPIO07_CONN: J11.33 R26.1
/Peripherals/GPIO09_CONN: J11.35 R53.2
/Peripherals/GPIO11_CONN: J11.42 R100.2
/Peripherals/GPIO12_CONN: J11.40 R100.1
